# Altium PCB Power_PCB_v1.0.PcbDoc (continued)
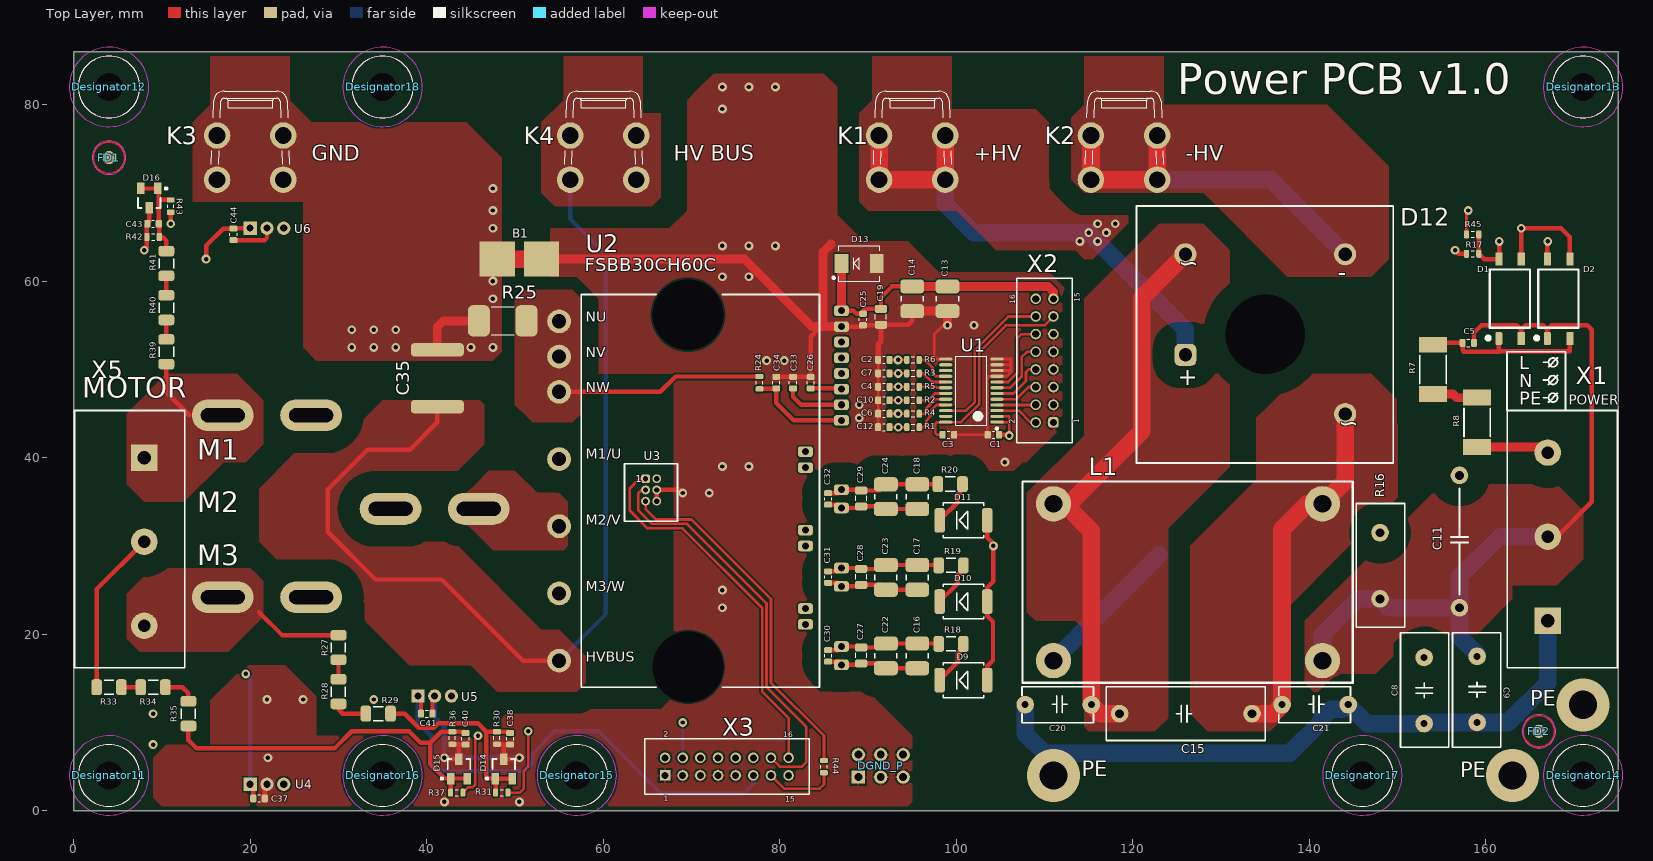
[diagram p0: Top Layer view]
## Footprints (in the part's own frame and the unit in brackets; to place one, negate y for a bottom-side part, rotate by r counter-clockwise, add the part's x,y. Pads: shape width x height; smd on the part's side, far side on the other; paste and mask are expansions set on the pad) (continued)
  silkscreen extent -2.3,-2 3.02,2, body extent -2.3,-1.97 2.3,1.97, height 2.45
SOT23 [mm] "SOT-23; 3 Leads; Body 3.0 x 2.6 mm, inc. leads (LxW max)"
  rect 0.85x1.3 smd: 1(0,0) 2(1.9,0) 3(0.95,2.2)
  silkscreen extent -1.1,-0.12 2.23,2.2, body extent -0.3,1 2.2,2.2, height 1
"TempSensor on MAX31725" [mm]
  rrect50% 1x1 hole 0.6: 1(0,0)
  round 1 hole 0.6: 2(0,1.27) 3(-1.27,0) 4(-1.27,1.27) 5(-2.54,0) 6(-2.54,1.27)
  silkscreen extent -4.8,-2.39 1.7,3.61, body extent -4.83,-2.42 1.67,3.58, height 4.5
"TSSOP24 , JEDEC MO-153, Fairchild" [mm] "TSOP, 24-Leads, Body 7.8x4.4mm (max), Pitch 0.65mm, IPC Medium Density"
  rect 1.5x0.35 smd: 1(-2.9,3.575)
  oval 1.5x0.35 smd: 2(-2.9,2.925) 3(-2.9,2.275) 4(-2.9,1.625) 5(-2.9,0.975) 6(-2.9,0.325) 7(-2.9,-0.325) 8(-2.9,-0.975) 9(-2.9,-1.625) 10(-2.9,-2.275) 11(-2.9,-2.925) 12(-2.9,-3.575) 13(2.9,-3.575) 14(2.9,-2.925) 15(2.9,-2.275) 16(2.9,-1.625) 17(2.9,-0.975) 18(2.9,-0.325) 19(2.9,0.325) 20(2.9,0.975) 21(2.9,1.625) 22(2.9,2.275) 23(2.9,2.925) 24(2.9,3.575)
  silkscreen extent -3.03,-3.9 1.75,4.42, body extent -2.2,-3.9 2.2,3.9, height 1.1

## Part data
C1 C3 C37 C41 C44: library part CVNF100K0603-25, "0.1 uF, 25V, 10% , X7R,  0603 SMD MLC Capacitor"
C2 C4 C5 C6 C7 C10 C12 C25 C30 C31 C32 C33 C38 C40 C43: library part CVNF1.0K0603_1, "1 nF, 50V, 10%, X7R, 0603 SMD MLC Capacitor"
C8 C9: "CAP CER X1,Y2 4700PF 20% 250VAC,  THT 7.5mm; X1,Y2"
C11: "CAP X2, 330nF, 275V, ±10%; 18x10x15.8mm"
C13 C14 C16 C17 C18 C22 C23 C24: "10uF, 50V, 10%, X5R, -55..+85C, 1210"
C15: "CAP X2, 220nF; 15mm; ±10%; 18x6x12mm"
C19 C27 C28 C29: "0.22 uF, 50V, X7R,  0805"
C20 C21: "CAP CER 1500PF 20% 250VAC,  THT 7.5mm;  dimeter 8mm, X1,Y2"
C26: library part CVNF010K0603, "10 nF, 50V, 5%, X7R, 0603 SMD MLC Capacitor"
C34: library part CVNF3.3K0603_1, "3.3 nF, 50V, 10%, X7R, 0603 SMD MLC Capacitor"
C35: "CAP 220NF. X7R, 630V, 2220, 5x5.7x2mm"
D1 D2: "Optoc.  5mA >300%, 5kV, SMD4"
D9 D10 D11: "DIODE FAST REC 600V 1A DO214AC"
D12: "Bridge rectifier; 1000V; 50A; 450Amax, wire 1.07mm"
D13: "DIODE TVS 15V 600W UNI 5% SMD"
D14 D15 D16: "Dual transil array for ESD, 6.1 V, 300 W"
K1 K2 K3 K4: "Screw terminal KEYS7692"
L1: "INDUCTOR 2.4MH COMMON MODE VERT, 17A"
R1 R2 R3 R4 R5 R6 R31 R37 R43: library part RL0603E100-1_1, "100 R, 1%, 0603, SMD Resistor, Taped"
R7 R8: "470k, 2512, 1W; 200V, ±1%; -55 125°C"
R16: "VARISTOR Disc 14mm, 6kA, 175J,"
R17: library part RL0603K004.7-1_1, "4.7 K, 1%, 0603, SMD Resistor, Taped"
R18 R19 R20: library part RL1206E015-1, "15 R, 1%,  0.25 W, 200 V, 1206"
R24: library part RL0603K001-1_1, "1 K, 1%, 0603, SMD Resistor, Taped"
R25: "Curr.sens.res. 0.01 OHM 2W 1% , 2512 (6432 Metric)"
R27 R28 R29 R33 R34 R35 R39 R40 R41: library part RL1206K100-1, "100K, 1%,  1206,  200v,  SMD 1206"
R30 R36 R42: library part RL0603K002.2-1_1, "2.2 K, 1%, 0603, SMD Resistor, Taped"
R44 R45: library part RL0603E330-1_1, "330 R, 1%, 0603, SMD Resistor, Taped"
U1: "TXRX 8BIT DUAL CONF VOLT 24TSSOP"
U2: "IGBT module, 600V, 30A, Vcesat 2.0V, 20kHz, SPM27-double DIP"
U3: "IC TEMP SENSOR 8-TDFN"
U4 U5 U6: "IC HALL EFFECT SENSOR 50A, 3V"
X1 X5: "HEADER, VERTICAL, 9.52MM, 3WAY, 32A, 1000V"
X2 X3: "CONN HEADER 16POS 2MM VERT GOLD"

## Via types
v1: diameter 1, hole 0.5, Top Layer to Bottom Layer, tented both sides, 71 vias
v2: diameter 6, hole 3.2, Top Layer to Bottom Layer, 3 vias

## Nets (pads, with @x,y where several pads share a name; then routed paths per layer and width w, separated by ;. In a path a pad name is that pad's centre, name@x,y a point inside that pad or via, vN(x,y) a via of type N, cw(c..) or ccw(c..) an arc to the next point about the centre after c; other vN are vias at no path point)
DGND: B1.2 C1.2 C2.2 C3.2 C4.2 C6.2 C7.2 C10.2 C12.2 C13.2 C14.2 C19.2 C25.2 C26.1 C33.2 C34.2 C37.2 C38.2 C40.2 C41.2 C43.2 C44.2 D1.3 D2.3 D13.1 D14.3 D15.3 D16.3 DGND_P.1 DGND_P.2 DGND_P.3 DGND_P.4 DGND_P.5 DGND_P.6 R30.2 R36.2 R42.2 U1.9 U1.10 U1.11 U1.12 U1.13 U2.2 U3.4 U3.6 U4.2 U5.2 U6.2 X2.1 X2.3 X2.5 X2.7 X2.9 X2.11 X3.1 X3.3 X3.5 X3.7 X3.9 | length 348.9
  Top Layer w0.3: C26.1 83.5,53.7 ; 84.652,54.852 85.048,54.852 ; C12.2 C6.2 C10.2 C4.2 C7.2 C2.2 ; U1.13 97.825,51.175 97.5,51.5 97.5,54 98.5,55 v1(99,55) ; C3.2 C1.2 103.5,42.65 103.5,49.1 103.625,49.225 U1.9 105.725,49.225 106.2,49.7 ; U1.10 106.025,49.875 106.2,49.7 ; U1.11 106.175,50.525 106.2,50.5 ; U1.12 106.175,51.175 106.2,51.2 106.2,50.5 ; 106.2,49.7 106.2,50.5
  Top Layer w0.5: v1(8,63.5) 8.3,63.8 R42.2 8.3,66.45 C43.2 8.55,66.7 D16.3 ; C44.2 21.65,64.65 21.9,64.9 U6.2 ; C37.2 21.65,2.75 U4.2 ; C41.2 40.65,12.75 U5.2 ; v1(42,6) 42.15,5.85 D15.3 43.65,7.395 43.8,7.545 ; R36.2 43.8,7.545 ; C40.2 44.355,7.545 43.8,7.545 ; R30.2 48.8,7.545 ; C38.2 49.405,7.545 48.8,7.545 ; v1@50.5,5.85 D14.3 48.73,7.475 48.8,7.545 ; U3.6 U3.4 68.654,36.346 v1(69,36) ; C34.2 C33.2 C26.1 83.5,53.7 84.652,54.852 84.8,55 84.9,55 ; U2.2 89.284,54.852 C25.2 91.41,55 C19.2 94.554,55.054 95,55.5 C14.2 ; D1.3 v1(164,66) 168.5,66 169.5,65 D2.3
  Top Layer w0.6: C2.2 91.14,52.84 91.464,53.164 C19.2
  Top Layer w1: B1.2 76,62.5 83.648,54.852 84.652,54.852 ; 85.8,64.2 84.9,63.3 84.9,55 85.048,54.852 U2.2 ; C14.2 C13.2 v1(99,55)
  MidLayer2 w0.5: v1(8,63.5) 21,63.5 21.9,64.4 U6.2 ; 85.5,60 84.5,61 84.5,80.349 86.751,82.6 144.9,82.6 157,70.5 157,67 158,66 v1(164,66)
  MidLayer2 w1: 7.106,14.55 3,18.656 3,51.5 8,56.5 v1(8,63.5)
  Bottom Layer w0.5: U5.2 40.9,10.6 42,9.5 v1(42,6) v1(50.5,6)
  other v1: 42,1 50.5,1 22,6 9,7.5 9,11 21.9,12.6 26,12.6 34,12.6 73.5,23 73.5,25 72,36 73.5,39 76.5,39 105.5,39.5 89,44.5 89,46 78.5,51 80.5,51 102,55 73.5,60.5 76.5,60.5 73.5,64 76.5,64 79.5,64 73.5,79.5 73.5,82 76.5,82 79.5,82
HVBUS: C35.1 K4.1 U2.27 | length 112.7
  Top Layer w0.5: C35.1 41.2,44 38.1,40.9 33.3,40.9 28.8,36.4 28.8,31.6 34.2,26.2 41.7,26.2 50.9,17 U2.27
  Bottom Layer w0.5: U2.27 60.3,22.3 60.3,63 56.25,67.05 K4.1@56.25,71.5
I_U: U6.3 X3.2 | length 143.9
  MidLayer2 w0.3: U6.3 23.8,67.2 23.5,67.5 8,67.5 6,65.5 6,57.5 1,52.5 1,17.5 5.3,13.2 14.8,13.2 20,8 28.093,8 29.593,9.5 43.603,9.5 45.453,7.65 51.65,7.65 53.5,9.5 64,9.5 67,6.5 X3.2
I_V: U5.3 X3.4 | length 31.4
  MidLayer2 w0.3: U5.3 42.909,13 44.409,11.5 67.5,11.5 v1(69,10)
  Bottom Layer w0.3: X3.4 69,8.5 v1(69,10)
I_W: U4.3 X3.6 | length 53.3
  MidLayer2 w0.3: U4.3 29.8,9 43.091,9 44.941,7.15 52.15,7.15 54,9 61.5,9 65.5,5 70,5 X3.6
INU_H: C7.1 R3.1 U2.9 | length 23.4
  Top Layer w0.3: C7.1 v1(93.416,49.554) R3.1
  MidLayer2 w0.3: U2.9 94.181,40.681 95.4,41.9 95.4,47.57 v1(93.416,49.554)
INU_L: C2.1 R6.1 U2.3 | length 9.2
  Top Layer w0.3: C2.1 v1(93.4,51.078) R6.1
  MidLayer2 w0.3: U2.3 91.37,53.108 v1(93.4,51.078)
INV_H: C10.1 R2.1 U2.13 | length 32
  Top Layer w0.3: C10.1 v1(93.416,46.506) R2.1
  MidLayer2 w0.3: U2.13 81.503,31.797 81.1,32.2 81.1,41.6 81.9,42.4 84.6,42.4 85.2,41.8 93.7,41.8 94.5,42.6 94.5,45.422 v1(93.416,46.506)
INV_L: C4.1 R5.1 U2.4 | length 9.7
  Top Layer w0.3: C4.1 v1(93.416,48.03) R5.1
  MidLayer2 w0.3: U2.4 90.137,51.309 v1(93.416,48.03)
INW_H: C12.1 R1.1 U2.17 | length 37.9
  Top Layer w0.3: C12.1 v1(93.416,43.458) R1.1
  MidLayer2 w0.3: U2.17 81.087,22.913 80.1,23.9 80.1,41.9 81.7,43.5 85.1,43.5 86,42.6 92.558,42.6 v1(93.416,43.458)
INW_L: C6.1 R4.1 U2.5 | length 10.3
  Top Layer w0.3: C6.1 v1@93.4,44.982 ; v1(93.4,45) v1@93.4,44.982 ; R4.1 v1@93.4,44.982
  MidLayer2 w0.3: U2.5 88.862,49.538 v1(93.4,45)
M1: R39.1 U6.5 X5.1 | length 6.9
  Top Layer w0.5: R39.1 10.5,47.4 13.1,44.8
M2: R33.1 U5.5 X5.2 | length 18.7
  Top Layer w0.5: R33.1 2.6,25.08 X5.2
M3: R27.1 U4.5 X5.3 | length 10.1
  Top Layer w0.5: 21,22.5 23.6,19.9 R27.1
NetC5_1: C5.1 D1.1 D2.2 R7.2 | length 19.4
  Top Layer w0.5: R7.2 154.2,53 C5.1 157.35,52.15 157.5,52 161.46,52 ; D1.1 161.46,52.04 169.46,52.04 169.5,52.08 D2.2
NetC16_1: C16.1 C22.1 C27.1 C30.1 R18.2 U2.19 | length 12.9
  Top Layer w0.5: C30.1 86.577,18.201 U2.19 89.11,18.608 C27.1 91.57,18.5 C22.1 C16.1 97.95,18.95 R18.2
NetC16_2: C16.2 C22.2 C27.2 C30.2 U2.20 | length 10.6
  Top Layer w0.5: C30.2 86.619,16.901 U2.20 89.055,16.537 C27.2 91.47,16.7 C22.2 C16.2
NetC17_1: C17.1 C23.1 C28.1 C31.1 R19.2 U2.15 | length 12.9
  Top Layer w0.5: C31.1 86.6,27.117 U2.15 89.108,27.5 C28.1 91.57,27.39 C23.1 C17.1 97.96,27.84 R19.2
NetC17_2: C17.2 C23.2 C28.2 C31.2 U2.16 | length 10.6
  Top Layer w0.5: C31.2 86.587,25.817 U2.16 89.049,25.421 C28.2 91.47,25.59 C23.2 C17.2
NetC18_1: C18.1 C24.1 C29.1 C32.1 R20.2 U2.11 | length 12.9
  Top Layer w0.5: C32.1 86.589,35.981 U2.11 89.123,36.375 C29.1 91.316,36.28 C24.1 C18.1 97.884,36.984 R20.2
NetC18_2: C18.2 C24.2 C29.2 C32.2 U2.12 | length 10.5
  Top Layer w0.5: C32.2 86.606,34.681 U2.12 89.042,34.304 C29.2 91.724,34.48 C24.2 C18.2
NetC33_1: C33.1 U2.7 | length 6.8
  Top Layer w0.5: C33.1 81.5,46.9 82.405,45.995 U2.7
NetC34_1: C34.1 R24.1 U2.8 | length 11.8
  Top Layer w0.5: R24.1 79.55,47.8 C34.1 79.6,46.2 81.576,44.224 U2.8
NetC38_1: C38.1 D14.1 D14.2 R29.2 R30.1 R31.1 | length 24.5
  Top Layer w0.5: R29.2 37.5,11 39.1,9.4 40.8,9.4 41.3,9.9 45.8,9.9 46.755,8.945 ; D14.1 46.95,3.65 46.755,3.845 46.755,8.945 ; R31.1 47.8,3.63 49.66,3.63 D14.2 ; C38.1 49.305,8.945 R30.1 46.755,8.945
NetC40_1: C40.1 D15.1 D15.2 R35.2 R36.1 R37.1 | length 44.2
  Top Layer w0.5: R35.2 13,8 13.9,7.1 29.6,7.1 31.5,9 38,9 39.3,7.7 40.4,7.7 ; R37.1 D15.1 ; C40.1 44.255,8.945 R36.1 41.645,8.945 40.4,7.7 ; D15.2 D15.1 ; 40.4,7.7 40.4,5.3 42.05,3.65 D15.1
NetC43_1: C43.1 D16.1 D16.2 R41.2 R42.1 R43.1 | length 10.9
  Top Layer w0.5: D16.2 D16.1 9.65,70.35 C43.1 9.7,66.45 R42.1 10.1,65 10.5,64.6 R41.2 ; 9.75,69.2 R43.1
NetD1_4: D1.4 D2.4 R17.1 R45.2 | length 14.2
  Top Layer w0.5: R45.2 R17.1 159.8,62.5 D1.4 161.5,62.54 v1(161.5,64.5) ; D2.4 166.96,64.46 v1(167,64.5)
  MidLayer2 w0.5: v1(161.5,64.5) v1(167,64.5)
NetD9_1: D9.1 R18.1 | length 5.2
  Top Layer w0.5: D9.1 100.15,16.85 100.15,17.81 100.8,18.46 R18.1
NetD10_1: D10.1 R19.1 | length 5.2
  Top Layer w0.5: D10.1 100.15,25.75 100.15,26.71 100.8,27.36 R19.1
NetD11_1: D11.1 R20.1 | length 5.2
  Top Layer w0.5: D11.1 100.15,34.95 100.15,35.81 100.7,36.36 R20.1
NetD12_1: D12.1 K1.1 | length 56.2
  Top Layer w2: K1.1@91.25,76.5 91.25,71.5 98.75,71.5 K1.1@98.75,76.5
  Bottom Layer w2: K1.1@98.75,71.5 98.75,68.75 102,65.5 v1(115,65.5) 125.95,54.55 D12.1
  other v1: 114,64.5 116,64.5 117,65.5 116,66.5 118,66.5
NetD12_3: D12.3 K2.1 | length 42.3
  Top Layer w2: K2.1@115.25,76.5 115.25,71.5 122.75,71.5 K2.1@122.75,76.5
  Bottom Layer w2: K2.1@122.75,71.5 135.6,71.5 D12.3
NetR7_1: R7.1 R8.2 | length 5.2
  Top Layer w1: R7.1 156.3,47.2 156.7,46.8 R8.2
NetR24_2: R24.2 R25.2 U2.21 U2.22 U2.23 | length 23.5
  Top Layer w0.5: U2.23 66.467,47.467 68.2,49.2 R24.2
  Top Layer w1: U2.21@54.951,55.5 U2.21
NetR27_2: R27.2 R28.1 | length 2.2
  Top Layer w0.5: R28.1 R27.2
NetR28_2: R28.2 R29.1 | length 3.9
  Top Layer w0.5: R28.2 30,11.5 30.5,11 R29.1
NetR33_2: R33.2 R34.1 | length 2.2
  Top Layer w0.5: R33.2 R34.1
NetR34_2: R34.2 R35.1 | length 3.8
  Top Layer w0.5: R34.2 12.3,14 13,13.3 R35.1
NetR39_2: R39.2 R40.1 | length 2.2
  Top Layer w0.5: R39.2 R40.1
NetR40_2: R40.2 R41.1 | length 2.2
  Top Layer w0.5: R40.2 R41.1
NetR44_1: R44.1 U3.5 | length 40.1
  Top Layer w0.3: U3.5 64.794,34.206 66,33 70,33 79,24 79,14.5 85,8.5 R44.1
OUT_U: U2.24 U6.4
OUT_V: U2.25 U5.4
OUT_W: U2.26 U4.4 | length 0.6
  Top Layer w0.5: U2.26@54.57,24.2 U2.26
PE: C8.2 C9.1 C20.2 C21.1 X1.1 | length 75.8
  Bottom Layer w2: C20.2 107.8,8.7 110,6.5 137.748,6.5 141.4,10.152 141.4,10.5 142.4,11.5 143.758,11.5 144.274,12.016 C21.1 146.55,9.866 C8.2 153.134,10 C9.1 162.5,10 167,14.5 X1.1
  other v2: 111,4 163,4 171,12
PGND: B1.1 C35.2 K3.1 R25.1 | length 7.6
  Top Layer w1: C35.2 41.2,54.8 41.9,55.5 R25.1
  other v1: 31.5,52.5 34,52.5 36.5,52.5 45,52.5 47.5,52.5 31.5,54.5 34,54.5 36.5,54.5 47.5,58 47.5,60 47.5,66 47.5,68 47.5,70.5
PWM_OE: U1.22 X2.14 | length 18.1
  Top Layer w0.3: U1.22 101.118,45.325 102.1,46.307 102.1,52.207 105.893,56 X2.14
SCL: U3.3 X3.14 | length 46.3
  Top Layer w0.3: U3.3 64.346,36.346 63.944,35.944 63.944,34.056 65.5,32.5 69.5,32.5 78.5,23.5 78.5,14 83,9.5 83,5.5 82.5,5 80,5 X3.14
SDA: U3.1 X3.16 | length 42.6
  Top Layer w0.3: U3.1 64.116,37.616 63,36.5 63,34 65,32 69,32 78,23 78,13.5 81,10.5 X3.16
T0C0: U1.3 X2.2 | length 4.9
  Top Layer w0.3: U1.3 107.075,45.325 108.4,44 X2.2
T0C1: U1.4 X2.4 | length 4.4
  Top Layer w0.3: U1.4 108.975,45.975 X2.4
T0C2: U1.5 X2.6 | length 5
  Top Layer w0.3: U1.5 106.825,46.625 108.2,48 X2.6
T0C3: U1.6 X2.8 | length 6.1
  Top Layer w0.3: U1.6 106.475,47.275 107.9,48.7 107.9,49.7 108.2,50 X2.8
T0C4: U1.7 X2.10 | length 7.4
  Top Layer w0.3: U1.7 106.125,47.925 107.4,49.2 107.4,51.4 108,52 X2.10
T0C5: U1.8 X2.12 | length 8.9
  Top Layer w0.3: U1.8 105.875,48.575 106.9,49.6 106.9,53.5 107.4,54 X2.12
TOS1: R44.2 X3.13 | length 8.1
  Top Layer w0.3: X3.13 80.5,2.5 84.5,2.5 85,3 R44.2
U_H: R3.2 U1.17 | length 3.4
  Top Layer w0.3: R3.2 96.246,49.554 97.225,48.575 U1.17
U_L: R6.2 U1.16 | length 4.1
  Top Layer w0.3: R6.2 96.422,51.078 97.3,50.2 97.3,49.6 97.675,49.225 U1.16
V5V: C3.1 U1.24 X2.13 | length 23.8
  Top Layer w0.3: C3.1 97.8,42.6 97.6,42.8 97.6,43.8 97.825,44.025 U1.24 100.525,44.025 102.6,46.1 102.6,52 105.6,55 110,55 X2.13
V15V: C13.1 C14.1 C19.1 C25.1 D9.2 D10.2 D11.2 D13.2 U2.1 U2.10 U2.14 U2.18 X2.15 | length 130.4
  Top Layer w0.5: U2.1 88.35,56.65 88.7,56.3 C25.1 89.432,56.632 89.654,56.854 C19.1 91.464,58.164 92.7,59.4 C14.1 ; D9.2 103.5,16.387 104.15,17.037 104.15,21.413 103.5,22.063 D10.2 103.5,25.287 104.2,25.987 v1(104.2,30) ; D11.2 103.5,30.963 v1@104.15,30.313
  Top Layer w1: U2.1 86.983,61.983 D13.2 ; C14.1 C13.1 110.4,59.4 111,58.8 X2.15
  MidLayer1 w1: U2.18 84.115,21.115 84.7,21.7 84.7,24.308 84.633,24.375 84.633,29.966 84.6,29.999 ; U2.14 84.6,29.999 ; U2.10 84.417,38.883 84.6,38.7 84.6,29.999 ; v1(104.2,30) 104.1,30 104.099,29.999 84.6,29.999
  MidLayer2 w1: U2.10 84.042,38.883 84.834,39.675 95.675,39.675 96.5,40.5 96.5,50.9 90.75,56.65 U2.1
V_H: R2.2 U1.19 | length 3.3
  Top Layer w0.3: R2.2 96.799,46.506 97.568,47.275 U1.19
V_L: R5.2 U1.18 | length 3.1
  Top Layer w0.3: R5.2 97.67,48.03 97.775,47.925 U1.18
V_U: R43.2 X3.12 | length 135.6
  Top Layer w0.5: v1(11,66.5) R43.2
  MidLayer2 w0.3: v1(11,66.5) 8,66.5 7,65.5 7,57 2,52 2,18.454 6.754,13.7 15.8,13.7 18.5,11 66.207,11 68.207,9 72.851,9 75,9 77,7 X3.12
V_V: R37.2 X3.10 | length 39.9
  Top Layer w0.3: R37.2 44.7,2.65 45.17,2.65 45.5,2.98 45.5,8.195 v1(45.805,8.5)
  MidLayer2 w0.3: v1(45.805,8.5) 47.805,10.5 66,10.5 68,8.5 73.5,8.5 75,7 X3.10
V_W: R31.2 X3.8 | length 32.9
  Top Layer w0.3: R31.2 50.55,2.05 51,2.5 51,4.5 51.5,5 v1(51.5,9)
  MidLayer2 w0.3: v1(51.5,9) 52,9 53,10 65,10 67,8 72,8 73,7 X3.8
VDDC: C1.1 C37.1 C41.1 C44.1 R17.2 U1.1 U1.2 U3.2 U4.1 U5.1 U6.1 X3.11 | length 441.1
  Top Layer w0.3: U1.1 105.975,44.025 ; U1.2 105.975,44.675 105.975,44.025 ; v1@105.975,42.975 105.975,44.025
  Top Layer w0.5: v1(15,62.5) 15,64 16.95,65.95 C44.1 18.15,66 U6.1 ; U4.1 20.35,2.65 C37.1 ; U5.1 39.35,12.65 C41.1 ; C1.1 105.9,42.6 v1(106,42.5) ; v1(156.5,63.5) 156.9,63.1 R17.2
  MidLayer2 w0.3: X3.11 78,5 78,7 ; v1(106,42.5) 106.798,42.5 107.648,41.65 111.65,41.65 113.5,43.5 113.5,59.5 112,61 86,61 85.5,61.5 85.5,80.5 87,82 144,82 156,70 156,64 v1(156.5,63.5)
  MidLayer2 w0.5: v1(15,62.5) 10.5,62.5 9.5,61.5 9.5,56.5 4,51 4,19 7.5,15.5 v1(19.5,15.5) 21,14 38,14 U5.1 ; U3.2 72.384,37.616 77.9,32.1 77.9,9.251 78,9.151 78,7
  MidLayer2 w1: X3.11 77,3 78,2 82,2 83,3 83,7 79.5,10.5 79.5,18.5 80,19 83.98,19 84.633,19.653 84.633,37.421 85.688,38.475 97.475,38.475 100,41 105,41 106,42 v1(106,42.5)
  Bottom Layer w0.5: v1(19.5,15.5) 20,15 U4.1 ; U5.1 39,10 40.5,8.5 40.5,5 41,4.5 51,4.5 52,5.5 52,6.5 54.5,9 59.5,9 66.5,2 76,2 77,3 X3.11
VFO: C26.2 U2.6 X2.16 | length 39.6
  Top Layer w0.5: C26.2 86.9,47.85 U2.6
  MidLayer2 w0.3: U2.6 85.334,47.766 84.8,48.3 84.8,57.5 85.4,58.1 108.9,58.1 X2.16
W_H: R1.2 U1.21 | length 4.6
  Top Layer w0.3: R1.2 96.258,43.458 96.6,43.8 96.6,44.2 97.1,44.7 97.1,45.3 97.775,45.975 U1.21
W_L: R4.2 U1.20 | length 4
  Top Layer w0.3: R4.2 96.482,44.982 96.6,45.1 96.6,45.6 97.625,46.625 U1.20
WL1: C8.1 C11.1 L1.2 R8.1 R16.2 X1.3 | length 41.4
  Top Layer w1: R8.1 166.374,41.2 X1.3
  MidLayer1 w2: R16.2 153,26.5 C8.1
  Bottom Layer w2: L1.2 123,29
WL3: C15.1 C20.1 D12.2 L1.1 | length 61.9
  Top Layer w2: C15.1 116.316,11 C20.1 115.3,31.7 112.22,34.78 112.78,34.78 121,43 121,58.1 D12.2
WN1: C5.2 C9.2 C11.2 D1.2 D2.1 L1.3 R16.1 X1.2 | length 86.3
  Top Layer w0.5: C5.2 158.65,54.15 159.5,55 163.5,55 164,54.5 ; D1.2 164,54.5 ; D2.1 166.96,54.54 ; X1.2 168.054,31.054 172,35 172,54.5 171.5,55 167.42,55 166.96,54.54 ; 164,54.5 164.5,55 166.5,55 166.96,54.54
  Bottom Layer w2: L1.3 141.48,19.98 145.5,24 R16.1 149,23 C11.2 ; C9.2 159,17.73 157,19.73 C11.2 ; X1.2 161.554,31.054 157,26.5 C11.2
WN2: C15.2 C21.2 D12.4 L1.4 | length 40.7
  Top Layer w2: C15.2 135.884,11 C21.2 136.9,31.9 139.78,34.78 L1.4 144.05,37.35 D12.4
ZCROSS: R45.1 X3.15 | length 166.3
  Top Layer w0.3: R45.1 157.8,67.8 v1(158,68)
  MidLayer2 w0.3: X3.15 80,5 80,8 78.5,9.5 78.5,42 83.5,47 83.5,80.5 86.5,83.5 145.5,83.5 158,71 v1(158,68)
pads on no net: D12.0 Designator11.0 Designator12.0 Designator13.0 Designator14.0 Designator15.0 Designator16.0 Designator17.0 Designator18.0 FD1.0 FD1.1 FD2.0 FD2.1 U1.14 U1.15 U1.23 U2.28 U2.29

## Polygon pours and split planes (outlines as drawn)
PE on Bottom Layer "Bot" (solid, remove dead copper, pour order 92): 105.5,11.5 107,13 110,13 115,8 137.5,8 142,12.5 159.5,12.5 164,17 164,22 165.5,23.5 172.5,23.5 174,22 174,8 166.5,0.5 96.5,0.5 96,1 96,6.5 101,11.5
DGND on Bottom Layer "Bot" (solid, remove dead copper, pour order 108): 71,77.5 71,25 71,16 66.5,11.5 58,11.5 49.5,11.5 46.5,14.5 44.5,16.5 40,16.5 8,16.5 7.5,16 6.5,15 6.5,10 6.5,8.5 8,7 9,6 9,3 9,1.5 10,0.5 16,0.5 94.5,0.5 95,1 95,8.5 91.5,12 90,13.5 85.5,13.5 84.5,13.5 83.5,14.5 83.5,26 83.5,37 85,38.5 102,38.5 106.5,38.5 107,39 107.5,39.5 110,39.5 112,39.5 114.5,42 115,42.5 115,55.5 115,56.5 110.5,61 98,61 95,64 94.5,64.5 90.5,64.5 89.5,64.5 87.5,66.5 87.5,80 87.5,81 85,83.5 73.5,83.5 72.5,83.5 71,82
PGND on Bottom Layer "Bot" (solid, remove dead copper, pour order 102): 13.5,84.5 13.5,69 26,69 26,62.5 21,62.5 19,60.5 13.5,60.5 13.5,53.5 16,51 47.5,51 48.5,52 48.5,77.5 48,78 32.5,78 30.5,80 30.5,84 29.5,85 14,85
M1 on Bottom Layer "Bot" (solid, remove dead copper, pour order 98): 6,45 6,37 8,35 12.5,35 17,39.5 19.5,39.5 21.5,41.5 21.5,46.5 19.5,48.5 9.5,48.5
M3 on Bottom Layer "Bot" (solid, remove dead copper, pour order 97): 6,25.5 8,27.5 8.5,27 20.5,27 21.5,26 21.5,22 17.5,18 7.5,18 6,19.5
M2 on Bottom Layer "Bot" (solid, remove dead copper, pour order 96): 6,32 6,33.5 6.5,34 7,34.5 10.5,34.5 13,37 14.5,38.5 21.5,38.5 37.5,38.5 38,38 40,36 40,35 40,32.5 38.5,31 37,29.5 33.5,29.5 23.5,29.5 23,29 22.5,28.5 20,28.5 7,28.5 6,29.5
OUT_W on Bottom Layer "Bot" (solid, remove dead copper, pour order 95): 25,28.5 55.5,28.5 56,28 56,23.5 55,22.5 50.5,22.5 49,22.5 47,20.5 46,19.5 29,19.5 25,19.5 23,21.5 23,22 23,26.5 25,28.5
OUT_V on Bottom Layer "Bot" (solid, remove dead copper, pour order 94): 43.5,38.5 50,38.5 52.5,36 55,36 56,35 56,30 55.5,29.5 44,29.5 41,32.5 41,36
OUT_U on Bottom Layer "Bot" (solid, remove dead copper, pour order 93): 22.5,46.5 24.5,48.5 47.5,48.5 48,48 52.5,43.5 54.5,43.5 56,42 56,38.5 55.5,38 52.5,38 51,39.5 24.5,39.5 22.5,41.5
WN1 on Bottom Layer "Bot" (solid, remove dead copper, pour order 88): 138,20.5 142.5,25 146.5,25 155.5,34 169,34 170.5,32.5 170.5,28.5 169,27 163.5,27 160,23.5 160,20.5 159,19.5 150,19.5 146.5,16 145,14.5 139.5,14.5 138,16
WL1 on Bottom Layer "Bot" (solid, remove dead copper, pour order 90): 108,27.5 126,45.5 136,45.5 141,50.5 163,50.5 170,43.5 170,38 168,36 155,36 146,27 142,27 129.5,14.5 109.5,14.5 109,14 108,15
HVBUS on Bottom Layer "Bot" (solid, remove dead copper, pour order 75): 53,78 53,67 57.5,62.5 57.5,23.5 55,21 51.5,21 50.5,20 50.5,14.5 51.5,13.5 63.5,13.5 65,15 65,61.5 66.5,63 68.5,65 68.5,77.5 67,79 54,79
NetD12_1 on Bottom Layer "Bot" (solid, remove dead copper, pour order 56): 119,50.5 119,57.5 113.5,63 102,63 98,67 90.5,67 89,68.5 89,77.5 91,79.5 105.5,79.5 108,77 111,74 111,70 112.5,68.5 116.5,68.5 128.5,56.5 128.5,50 127.5,49 120.5,49
NetD12_3 on Bottom Layer "Bot" (solid, remove dead copper, pour order 59): 112.5,78.5 112.5,71 113.5,70 122,70 126,70 129.5,66.5 135.5,60.5 141,60.5 146.5,60.5 147,61 148.5,62.5 148.5,65 148.5,70 144.5,74 139,79.5 113.5,79.5
NetR24_2 on Bottom Layer "Bot" (solid, remove dead copper, pour order 111): 54,46 51,49 51,58 52,59 53,59 55,59 56,58 57,57 57,47 56,46 54,46
NetD12_3 on Top Layer "Top" (solid, remove dead copper, pour order 69): 113,78.5 113,71.5 114.5,70 128,70 137.5,60.5 147,60.5 149,62.5 149,73 142,80 123.5,80 123.5,85.5 114.5,85.5 114.5,80
NetD12_1 on Top Layer "Top" (solid, remove dead copper, pour order 72): 90.5,85.5 90.5,80.5 89,79 89,69 90,68 100,68 104.5,63.5 113.5,63.5 114.5,62.5 116.5,62.5 119.5,65.5 119.5,68 119,68.5 112.5,68.5 110.5,70.5 110.5,78 109,79.5 99.5,79.5 99.5,85.5
HVBUS on Top Layer "Top" (solid, remove dead copper, pour order 78): 55.5,85.5 55.5,80.5 53,78 53,70 54.5,68.5 65.5,68.5 66.5,69.5 66.5,79 64.5,79 64.5,85.5
PGND on Top Layer "PGND" (solid, remove dead copper, pour order 87): 13.5,69 26,69 26,52.5 27.5,51 47.5,51 48.5,52 48.5,74 44.5,78 27,78 24.5,80.5 24.5,85.5 15.5,85.5 15.5,80 13.5,78
OUT_V on Top Layer "Top" (solid, remove dead copper, pour order 101): 44.5,36 47,38.5 50,38.5 52.5,36 55,36 56,35 56,30 55.5,29.5 47.5,29.5 44.5,32.5
M3 on Top Layer "Top" (solid, remove dead copper, pour order 99): 8.5,27.5 20,27.5 20.5,27 21.5,26 21.5,22 17.5,18 7.5,18 6,19.5 6,25.5 8,27.5
WN1 on Top Layer "Top" (solid, remove dead copper, pour order 89): 139.5,21.5 155,37 168,37 171,34 171,28.5 168,25.5 164.5,25.5 159,20 150.5,20 149.5,19 149.5,17.5 147.5,15.5 143.5,15.5 142,14.5 141,13.5 140.5,13.5 139.5,14.5
WN2 on Top Layer "Top" (solid, remove dead copper, pour order 66): 135,45.5 139,49.5 147,49.5 150,46.5 150,35.5 136.5,22 136.5,10 135.5,9 128.5,9 126.5,11 126.5,30 134,37.5 134,44.5
WL3 on Top Layer "Top" (solid, remove dead copper, pour order 60): 108,36 114.5,42.5 114.5,58 123,66.5 128,66.5 131,63.5 131,39 124,32 124,10.5 122.5,9 115,9 114.5,9.5 114.5,20.5 113.5,21.5 109,21.5 108,22.5
HVBUS on Top Layer "Top HVBUS" (solid, remove dead copper, pour order 63): 55,20.5 53,20.5 43,30.5 33,30.5 31.5,32 31.5,35.5 34.5,38.5 43.5,38.5 46.5,41.5 46.5,46 46,46.5 35,46.5 30.5,42 26.5,42 21,36.5 21,30.5 23,28.5 28,28.5 33,23.5 33,21.5 38,16.5 45,16.5 48,13.5 57,13.5 58,14.5 58,17.5
NetR24_2 on Top Layer "Top" (solid, remove dead copper, pour order 85): 50,55.5 50,46 51.5,44.5 52,44 54.5,44 56.5,44 57.5,45 57.5,58 57,58.5 56.5,59 51,59 50,58
M1 on Top Layer "Top" (solid, remove dead copper, pour order 100): 10.5,49.5 18.5,49.5 21.5,46.5 21.5,41.5 19.5,39.5 17,39.5 12.5,35 8,35 6,37 6,45
DGND on Top Layer "Top" (solid, remove dead copper, pour order 107): 68,13 66.5,11.5 49.5,11.5 48.5,10.5 48.5,8.5 27.5,8.5 27.5,13 24,16.5 19.5,16.5 15.5,12.5 15.5,7.5 10.5,7.5 9,6 9,1.5 10,0.5 94.5,0.5 95,1 95,8.5 90,13.5 84.5,13.5 83.5,14.5 83.5,37 85,38.5 106.5,38.5 107.5,39.5 112,39.5 115,42.5 115,56.5 110.5,61 98,61 94.5,64.5 89.5,64.5 86.5,67.5 86.5,82 85,83.5 72.5,83.5 71,82 69.5,80.5 69.5,68 67.5,66 54,66 54,60.5 57,60.5 59.5,58 59.5,49.5 68,49.5
DGND on MidLayer2 "Mid2" (solid, remove dead copper, pour order 106): 71,77.5 71,25 71,16 66.5,11.5 58,11.5 49.5,11.5 46.5,14.5 44.5,16.5 40,16.5 8,16.5 7.5,16 6.5,15 6.5,10 6.5,8.5 8,7 9,6 9,3 9,1.5 10,0.5 16,0.5 94.5,0.5 95,1 95,8.5 91.5,12 90,13.5 85.5,13.5 84.5,13.5 83.5,14.5 83.5,26 83.5,37 85,38.5 102,38.5 106.5,38.5 107,39 107.5,39.5 110,39.5 112,39.5 114.5,42 115,42.5 115,55.5 115,56.5 110.5,61 98,61 95,64 94.5,64.5 90.5,64.5 89.5,64.5 87.5,66.5 87.5,80 87.5,81 85,83.5 73.5,83.5 72.5,83.5 71,82
PGND on MidLayer2 "Mid2" (solid, remove dead copper, pour order 103): 13.5,84.5 13.5,69 26,69 26,62.5 21,62.5 19,60.5 13.5,60.5 13.5,53.5 16,51 47.5,51 48.5,52 48.5,77.5 48,78 32.5,78 30.5,80 30.5,84 29.5,85 14,85
WN1 on MidLayer2 "Mid2" (solid, remove dead copper, pour order 86): 137.5,16.5 137.5,20 153,35.5 169,35.5 171,33.5 171,27 169.5,25.5 166,25.5 163.5,23 163.5,18.5 158.5,13.5 140.5,13.5
NetD12_1 on MidLayer2 "Mid2" (solid, remove dead copper, pour order 55): 119,50.5 119,57.5 113.5,63 102,63 98,67 90.5,67 89,68.5 89,77.5 91,79.5 110,79.5 111,78.5 111,70.5 113,68.5 118.5,68.5 128.5,58.5 128.5,50 127.5,49 120.5,49
NetD12_3 on MidLayer2 "Mid2" (solid, remove dead copper, pour order 58): 112.5,78.5 112.5,71 113.5,70 122,70 126,70 129.5,66.5 135.5,60.5 141,60.5 146.5,60.5 147,61 148.5,62.5 148.5,65 148.5,70 144.5,74 139,79.5 113.5,79.5
M2 on MidLayer2 "Mid2" (solid, remove dead copper, pour order 68): 6,32 8,34 10.5,34 13,34 16.5,37.5 17.5,38.5 31.5,38.5 37.5,38.5 38.5,37.5 40,36 40,35.5 40,32.5 37,29.5 35,29.5 18,29.5 17.5,29 17,28.5 14.5,28.5 7,28.5 6,29.5 6,30
OUT_V on MidLayer2 "Mid2" (solid, remove dead copper, pour order 71): 41,36 43.5,38.5 50,38.5 52.5,36 55,36 57,34 57,31 55.5,29.5 44,29.5 41,32.5
OUT_W on MidLayer2 "Mid2" (solid, remove dead copper, pour order 74): 22.5,25 22.5,26.5 23.5,27.5 24.5,28.5 26,28.5 55.5,28.5 57,27 57,23 55.5,21.5 51,21.5 49.5,21.5 47.5,19.5 25.5,19.5 25,19.5 22.5,22
OUT_U on MidLayer2 "Mid2" (solid, remove dead copper, pour order 81): 22.5,46 22.5,41.5 24,40 24.5,39.5 27.5,39.5 51,39.5 51.5,39 53,37.5 54,37.5 56.5,37.5 57,38 57,42 57,43 56,44 55.5,44.5 52,44.5 51.5,44.5 49.5,46.5 47.5,48.5 46.5,48.5 24.5,48.5 22.5,46.5
M1 on MidLayer2 "Mid2" (solid, remove dead copper, pour order 84): 6,40 6,37 8,35 12.5,35 17,39.5 18.5,39.5 19.5,39.5 21.5,41.5 21.5,46.5 19.5,48.5 14,48.5 9.5,48.5 6,45
M3 on MidLayer2 "Mid2" (solid, remove dead copper, pour order 77): 6,25.5 8,27.5 20,27.5 21.5,26 21.5,22 17.5,18 7.5,18 6,19.5
HVBUS on MidLayer2 "HVBUS" (solid, remove dead copper, pour order 65): 53,77.5 53,67 57,63 57,23 55.5,21.5 52,21.5 50,19.5 50,15.5 52,13.5 63.5,13.5 66.5,16.5 66.5,63 68.5,65 68.5,77.5 67,79 54.5,79
WL1 on MidLayer2 "Mid2" (solid, remove dead copper, pour order 91): 108,16 110,14 129,14 131.5,16.5 152,37 169,37 170.5,38.5 170.5,50 168,52.5 143,52.5 136.5,46 122.5,46 121,44.5 115,38.5 115,34 113,32 108,32
PE on MidLayer2 "Mid2" (solid, remove dead copper, pour order 117): 98.5,2.5 98.5,10.5 99.5,11.5 158.5,11.5 165,18 165,22 167,24 173,24 174.5,22.5 174.5,10.5 173,9 168.5,9 166,6.5 166,1 165.5,0.5 100.5,0.5
WL1 on MidLayer1 "Mid1" (solid, remove dead copper, pour order 80): 108,28.5 109,29.5 141.5,29.5 156.5,44.5 169,44.5 171,42.5 171,37.5 169,35.5 165.5,35.5 149.5,19.5 135.5,19.5 130,14 110,14 108,16
WN2 on MidLayer1 "Mid1" (solid, remove dead copper, pour order 83): 134,41.5 134,45.5 138,49.5 142.5,49.5 147,49.5 150,46.5 150,40 150,39.5 142,31.5 141,30.5 136.5,30.5 133.5,30.5 132,32 131,33 131,35 131,36.5 133.5,39 134,39.5 134,41
NetD12_1 on MidLayer1 "Mid1" (solid, remove dead copper, pour order 62): 89,77.5 89,68.5 90.5,67 98,67 102,63 113.5,63 115.5,61 120.5,66 121,66 118.5,68.5 113,68.5 111,70.5 111,76 111,78.5 110,79.5 91,79.5
WL3 on MidLayer1 "Mid1" (solid, remove dead copper, pour order 61): 108,36 114.5,42.5 114.5,58 123,66.5 128,66.5 131,63.5 131,39 123,31 109,31 108,32
NetD12_3 on MidLayer1 "Mid1" (solid, remove dead copper, pour order 57): 112.5,78.5 112.5,71 113.5,70 122,70 126,70 129.5,66.5 135.5,60.5 141,60.5 146.5,60.5 147,61 148.5,62.5 148.5,65 148.5,70 144.5,74 139,79.5 113.5,79.5
M3 on MidLayer1 "Mid1" (solid, remove dead copper, pour order 76): 6,25.5 8,27.5 20,27.5 21.5,26 21.5,22 17.5,18 7.5,18 6,19.5
OUT_U on MidLayer1 "Mid1" (solid, remove dead copper, pour order 79): 22.5,46 22.5,41.5 24,40 24.5,39.5 27.5,39.5 51,39.5 51.5,39 53,37.5 54,37.5 56.5,37.5 57,38 57,42 57,43 56,44 55.5,44.5 52,44.5 51.5,44.5 49.5,46.5 47.5,48.5 46.5,48.5 24.5,48.5 22.5,46.5
OUT_W on MidLayer1 "Mid1" (solid, remove dead copper, pour order 73): 22.5,25 22.5,26.5 23.5,27.5 24.5,28.5 26,28.5 55.5,28.5 57,27 57,23 55.5,21.5 51,21.5 49.5,21.5 47.5,19.5 25.5,19.5 25,19.5 22.5,22
OUT_V on MidLayer1 "Mid1" (solid, remove dead copper, pour order 70): 41,36 43.5,38.5 50,38.5 52.5,36 55,36 57,34 57,31 55.5,29.5 44,29.5 41,32.5
M2 on MidLayer1 "Mid1" (solid, remove dead copper, pour order 67): 6,32 8,34 10.5,34 13,34 16.5,37.5 17.5,38.5 31.5,38.5 37.5,38.5 38.5,37.5 40,36 40,35.5 40,32.5 37,29.5 35,29.5 18,29.5 17.5,29 17,28.5 14.5,28.5 7,28.5 6,29.5 6,30
M1 on MidLayer1 "Mid2" (solid, remove dead copper, pour order 82): 6,40 6,37 8,35 12.5,35 17,39.5 18.5,39.5 19.5,39.5 21.5,41.5 21.5,46.5 19.5,48.5 14,48.5 9.5,48.5 6,45
HVBUS on MidLayer1 "HVBUS" (solid, remove dead copper, pour order 64): 53,77.5 53,67 57,63 57,23 55.5,21.5 52,21.5 50,19.5 50,15.5 52,13.5 63.5,13.5 66.5,16.5 66.5,63 68.5,65 68.5,77.5 67,79 54.5,79
PGND on MidLayer1 "Mid1" (solid, remove dead copper, pour order 104): 13.5,84.5 13.5,69 26.5,69 26.5,62.5 21.5,62.5 19,60 14.5,60 13.5,59 13.5,53.5 16,51 47.5,51 48.5,52 48.5,77.5 48,78 32.5,78 30.5,80 30.5,84 29.5,85 14,85
DGND on MidLayer1 "Mid1" (solid, remove dead copper, pour order 105): 71,16 66.5,11.5 49.5,11.5 44.5,16.5 7,16.5 4.5,19 4.5,50.5 10,56 10,60 11,61 18.5,61 21,63.5 24.5,63.5 25.5,64.5 25.5,67 24.5,68 3,68 2,67 0.5,65.5 0.5,10.5 4.5,10.5 9,6 9,1.5 10,0.5 94.5,0.5 95,1 95,8.5 90,13.5 84.5,13.5 83.5,14.5 83.5,37 85,38.5 106.5,38.5 107.5,39.5 112,39.5 115,42.5 115,56.5 110.5,61 98,61 94.5,64.5 89.5,64.5 87.5,66.5 87.5,79.5 89,81 144,81 154,71 154,62 156,60 166,60 168,62 168,69 167,70 165,72 163,74 163,78 156,85 74,85 71,82
NetR24_2 on MidLayer1 "Mid1" (solid, remove dead copper, pour order 113): 50,58 50,48.5 51.5,47 52.5,46 55.5,46 56.5,47 56.5,56.5 55,58 54.5,58.5 54,58.5 50.5,58.5
PE on MidLayer1 "Mid1" (solid, remove dead copper, pour order 115): 98.5,2.5 98.5,10.5 100.5,12.5 142.5,12.5 145,15 160.5,15 162.5,17 162.5,26.5 163.5,27.5 174,27.5 174.5,27 174.5,10.5 173,9 168.5,9 166,6.5 166,1 165.5,0.5 100.5,0.5

## Keep-outs
Keep-Out Layer:
  circle w0.1: c171,82 r4.5
  circle w0.1: c4,4 r4.5
  circle w0.1: c4,82 r4.5
  circle w0.1: c35,82 r4.5
  circle w0.1: c171,4 r4.5
  circle w0.1: c146,4 r4.5
  circle w0.1: c35,4 r4.5
  circle w0.1: c57,4 r4.5

## Silkscreen, mask and mechanical layers (free items; w line width, h text height)
Top Overlay:
  circle w0.2: c167.6,46.8 r0.5
  circle w0.2: c167.6,48.8 r0.5
  circle w0.2: c167.6,50.8 r0.5
  lines w0.2: 66,14 57.5,14 57.5,58.5 66,58.5 ; 73.5,14 84.5,14 84.5,58.5 73.5,58.5 ; 157,24.5 157,29.872 ; 157,31.587 157,36.5 ; 166.5,46.8 167.1,46.8 ; 166.5,48.8 167.1,48.8 ; 166.5,50.8 167.1,50.8 ; 167.1,48.3 168.1,49.3 ; 167.1,50.3 168.1,51.3 ; 168.1,47.3 167.1,46.3 ; 167.1,46.3 167.1,46.3 ; 62.4,32.8 68.4,32.8 68.4,39.3 62.4,39.3 62.4,32.8 ; 162.4,45.334 162.4,52 169,52 169,45.334 162.4,45.334
  text "Power PCB v1.0" at 125,80 h6
  text "GND" at 27,73.035 h3
  text "HV BUS" at 68,73.035 h3
  text "+HV" at 102,73 h3
  text "-HV" at 126,73 h3
  text "FSBB30CH60C" at 57.9,61.1 h1.5
  text "NU" at 58,55 h2
  text "NV" at 58,51 h2
  text "L" at 163.75,50 h1.5
  text "N" at 163.75,48 h1.5
  text "NW" at 58,47 h2
  text "MOTOR" at 1,46 h4
  text "PE" at 163.75,46 h1.5
  text "POWER" at 169.4,46 h1.1
  text "M1/U" at 58,39.5 h2
  text "M1" at 14,39 h4
  text "1" at 63.7,37.2 h0.8
  text "M2" at 14,33 h4
  text "M2/V" at 58,32 h2
  text "M3" at 14,27 h4
  text "M3/W" at 58,24.5 h2
  text "HVBUS" at 58,16.5 h2
  text "PE" at 165,11.3 h3
  text "PE" at 114.2,3.3 h3
  text "PE" at 157.1,3.2 h3
Bottom Overlay:
  text "GND" at 23,80.035 h3
  text "HV BUS" at 65,80.035 h3
  text "+HV" at 97,80 h3
  text "-HV" at 121,80 h3
Top Solder:
  rectangle: 114,80.5 124,86
  rectangle: 90,80.5 100,86
  rectangle: 55,81 65,86
  rectangle: 15,80.5 25,86
Mechanical 1:
  the board outline again, w0.2

## Text inside footprints (layer, text, board x,y; h text height)
D12: Top Overlay "~" at 143.3,44.7 h2 r180; Top Overlay "~" at 125.2,62.8 h2 r180; Top Overlay "-" at 143.2,61.5 h2 r180; Top Overlay "+" at 125.1,49.9 h2 r180
X2: Top Overlay "1" at 113.9,43.875 h0.6 r90; Top Overlay "15" at 113.975,57.625 h0.6 r90; Top Overlay "2" at 106.6,43.825 h0.6 r90; Top Overlay "16" at 106.65,57.4 h0.6 r90
X3: Top Overlay "1" at 66.875,1.1 h0.6; Top Overlay "15" at 80.625,1.025 h0.6; Top Overlay "2" at 66.825,8.4 h0.6; Top Overlay "16" at 80.4,8.35 h0.6